# Altium PCB JTAG批量下载板-V1.6-ASCII.PcbDoc (part 11 of 14) (continued)
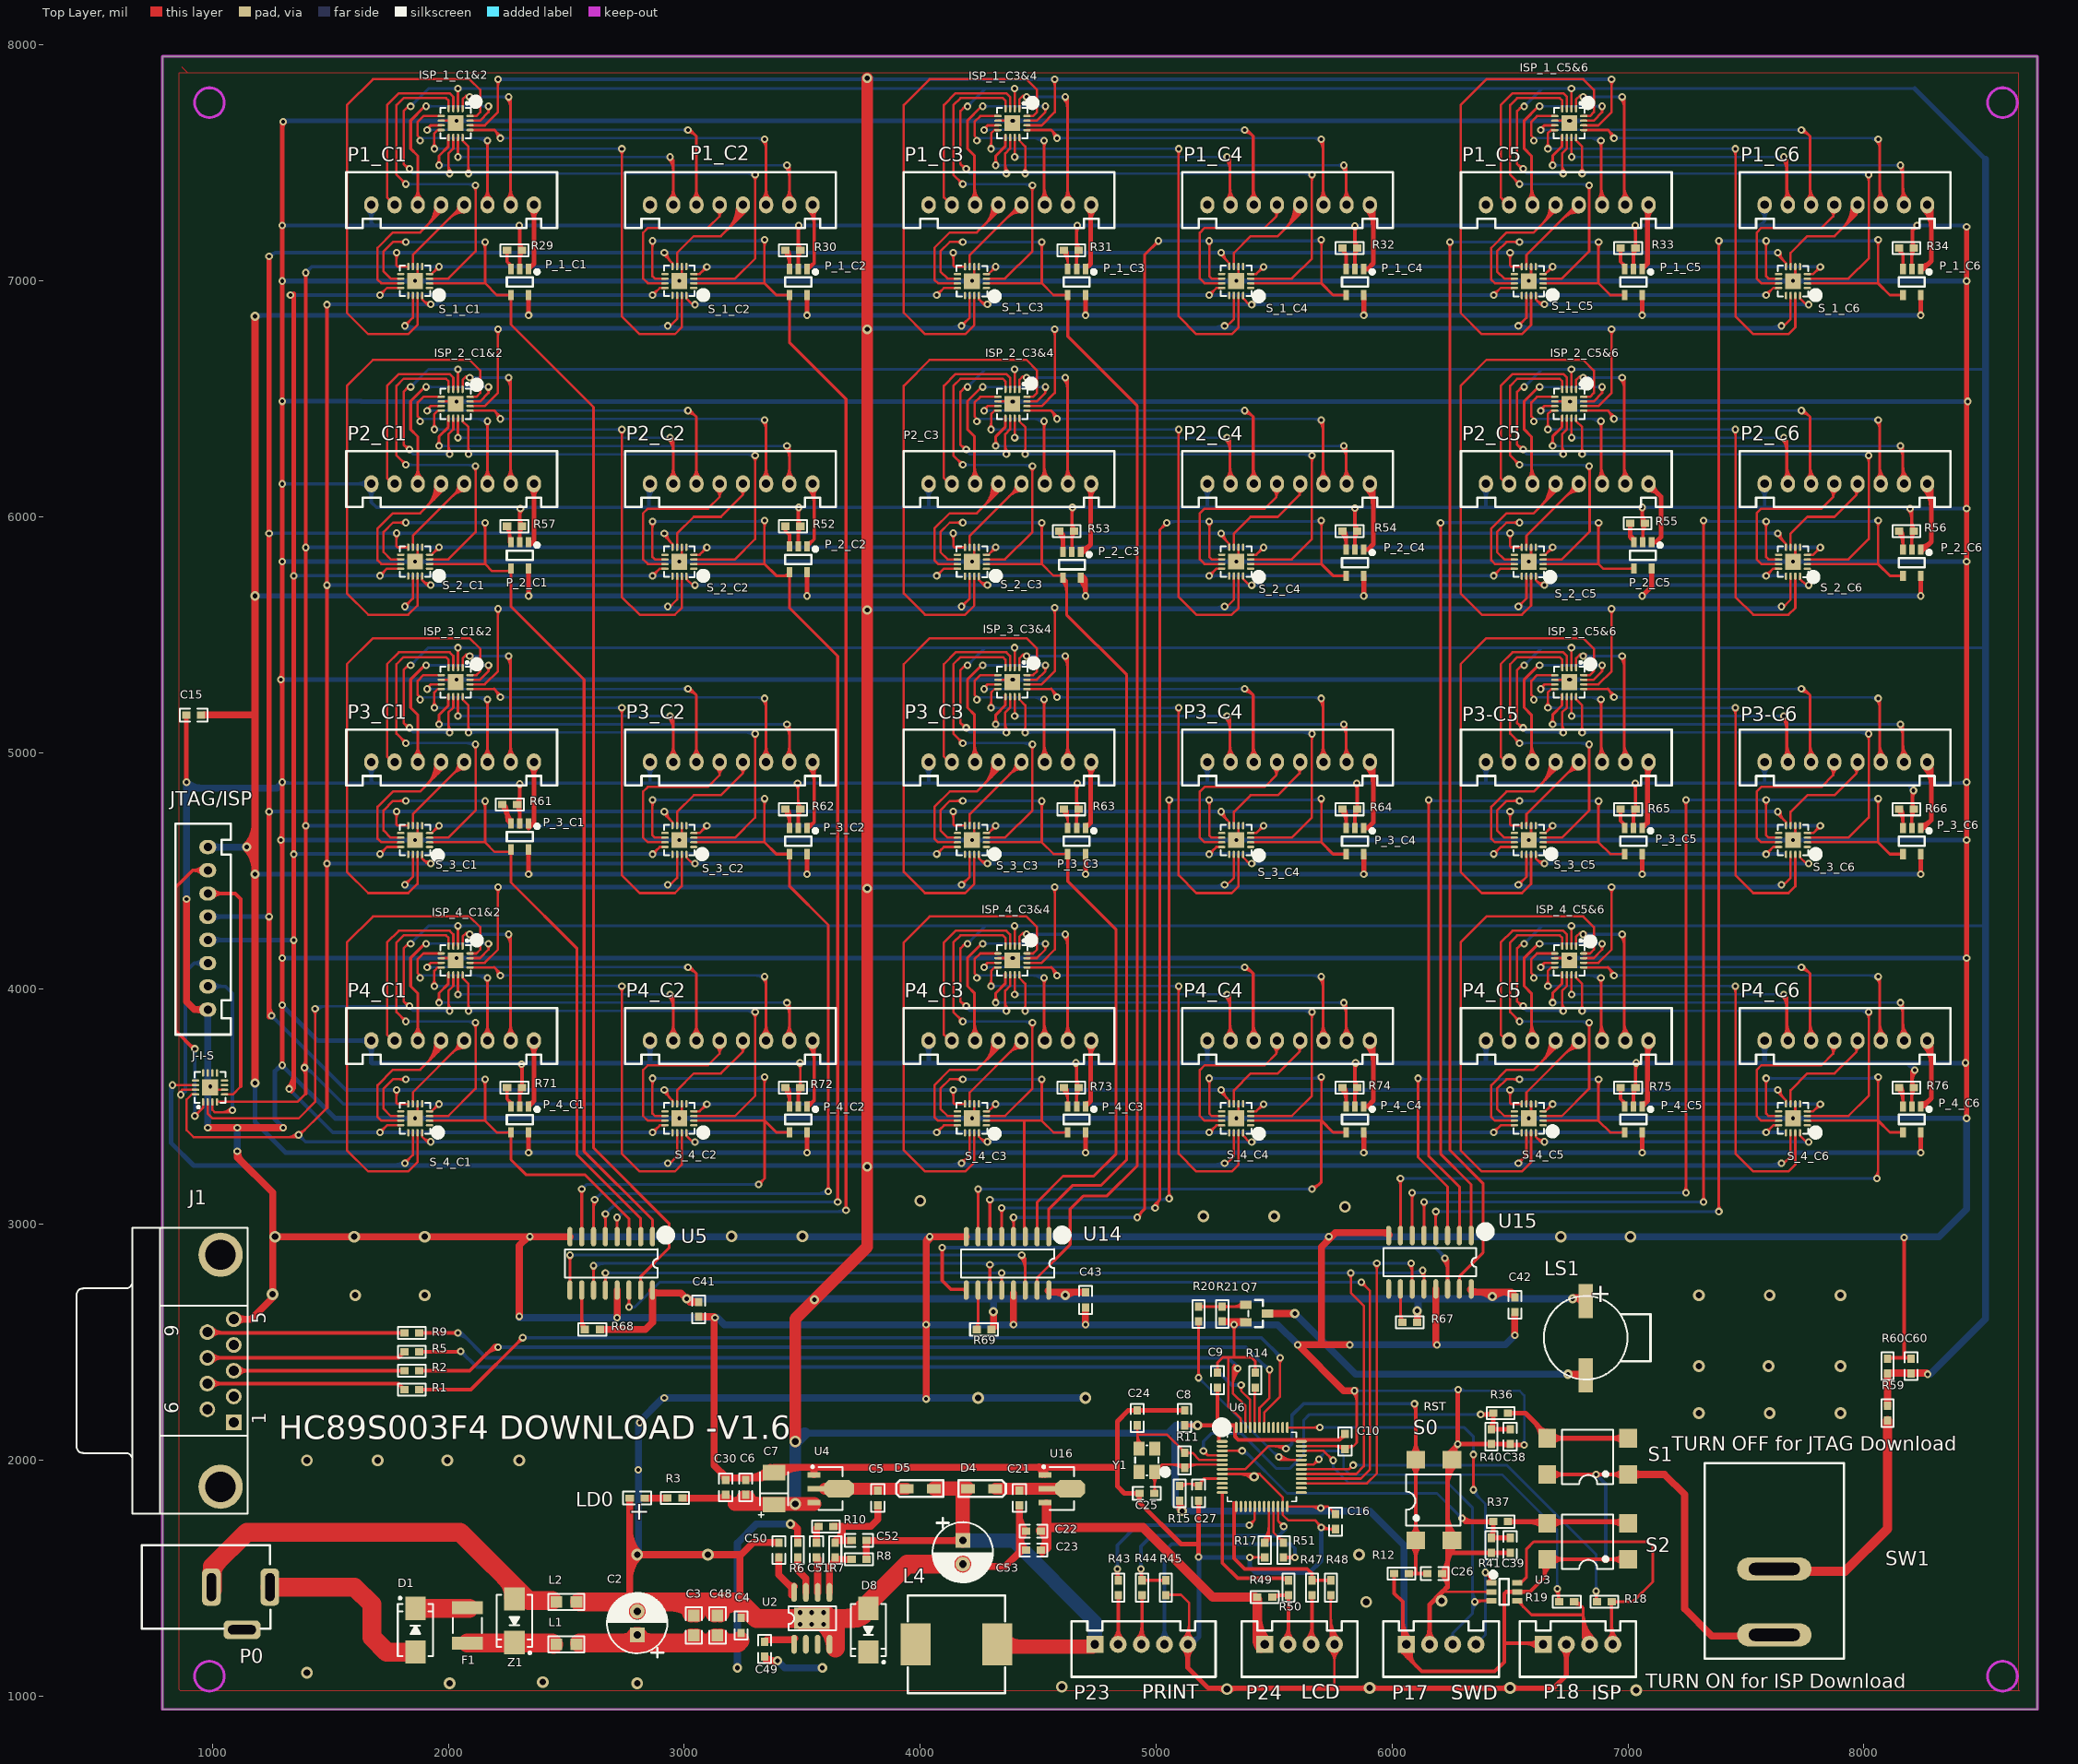
[diagram p0: Top Layer view]
## Nets (pads, with @x,y where several pads share a name; then routed paths per layer and width w, separated by ;. In a path a pad name is that pad's centre, name@x,y a point inside that pad or via, vN(x,y) a via of type N, cw(c..) or ccw(c..) an arc to the next point about the centre after c; other vN are vias at no path point) (continued)
  Top Layer w15: R43.2@4835,1495 v1(4835,1540) ; v1@4828.99,1533.99 cw(c4814.48,1519.48) 4835,1519.48 ; v1@4828.99,1533.99 cw(c4814.48,1519.48) 4835,1519.48 ; v1@4828.99,1533.99 cw(c4814.48,1519.48) 4835,1519.48 ; v1@4828.99,1533.99 cw(c4814.48,1519.48) 4835,1519.48 ; v1@4828.99,1533.99 cw(c4814.48,1519.48) 4835,1519.48 ; 4835,1519.48 cw(c4855.52,1519.48) v1@4841.01,1533.99 ; 4835,1519.48 cw(c4855.52,1519.48) v1@4841.01,1533.99 ; 4835,1519.48 cw(c4855.52,1519.48) v1@4841.01,1533.99 ; 4835,1519.48 cw(c4855.52,1519.48) v1@4841.01,1533.99 ; 4835,1519.48 cw(c4855.52,1519.48) v1@4841.01,1533.99 ; v1@4835,1525.45 ccw(c4871.98,1525.45) R43.2@4845.83,1499.3 ; v1@4835,1525.45 ccw(c4871.98,1525.45) R43.2@4845.83,1499.3 ; v1@4835,1525.45 ccw(c4871.98,1525.45) R43.2@4845.83,1499.3 ; v1@4835,1525.45 ccw(c4871.98,1525.45) R43.2@4845.83,1499.3 ; v1@4835,1525.45 ccw(c4871.98,1525.45) R43.2@4845.83,1499.3
  Bottom Layer w15: v1(4835,1540) 4835,1640 4920,1725 v1(5395,1725) ; v1@4828.99,1546.01 ccw(c4814.48,1560.52) 4835,1560.52 ; v1@4828.99,1546.01 ccw(c4814.48,1560.52) 4835,1560.52 ; v1@4828.99,1546.01 ccw(c4814.48,1560.52) 4835,1560.52 ; v1@4828.99,1546.01 ccw(c4814.48,1560.52) 4835,1560.52 ; v1@4828.99,1546.01 ccw(c4814.48,1560.52) 4835,1560.52 ; 4835,1560.52 ccw(c4855.52,1560.52) v1@4841.01,1546.01 ; 4835,1560.52 ccw(c4855.52,1560.52) v1@4841.01,1546.01 ; 4835,1560.52 ccw(c4855.52,1560.52) v1@4841.01,1546.01 ; 4835,1560.52 ccw(c4855.52,1560.52) v1@4841.01,1546.01 ; 4835,1560.52 ccw(c4855.52,1560.52) v1@4841.01,1546.01 ; 5374.48,1725 cw(c5374.48,1704.48) v1@5388.99,1718.99 ; 5374.48,1725 ccw(c5374.48,1745.52) v1@5388.99,1731.01 ; 5374.48,1725 cw(c5374.48,1704.48) v1@5388.99,1718.99 ; 5374.48,1725 ccw(c5374.48,1745.52) v1@5388.99,1731.01 ; 5374.48,1725 cw(c5374.48,1704.48) v1@5388.99,1718.99 ; 5374.48,1725 ccw(c5374.48,1745.52) v1@5388.99,1731.01 ; 5374.48,1725 cw(c5374.48,1704.48) v1@5388.99,1718.99 ; 5374.48,1725 ccw(c5374.48,1745.52) v1@5388.99,1731.01 ; 5374.48,1725 cw(c5374.48,1704.48) v1@5388.99,1718.99 ; 5374.48,1725 ccw(c5374.48,1745.52) v1@5388.99,1731.01
PRT_RXD: P23.4 R51.1 | length 1966
  Top Layer w15: R51.1@5540,1588.5 v1(5588.5,1588.5) ; R51.1@5545.83,1582.67 cw(c5559.91,1568.59) 5559.91,1588.5 ; R51.1@5545.83,1582.67 cw(c5559.91,1568.59) 5559.91,1588.5 ; R51.1@5545.83,1582.67 cw(c5559.91,1568.59) 5559.91,1588.5 ; R51.1@5545.83,1582.67 cw(c5559.91,1568.59) 5559.91,1588.5 ; R51.1@5545.83,1582.67 cw(c5559.91,1568.59) 5559.91,1588.5 ; R51.1@5545.83,1594.34 ccw(c5559.91,1608.42) 5559.91,1588.5 ; R51.1@5545.83,1594.34 ccw(c5559.91,1608.42) 5559.91,1588.5 ; R51.1@5545.83,1594.34 ccw(c5559.91,1608.42) 5559.91,1588.5 ; R51.1@5545.83,1594.34 ccw(c5559.91,1608.42) 5559.91,1588.5 ; R51.1@5545.83,1594.34 ccw(c5559.91,1608.42) 5559.91,1588.5 ; 5567.98,1588.5 cw(c5567.98,1567.98) v1@5582.49,1582.49 ; 5567.98,1588.5 ccw(c5567.98,1609.02) v1@5582.49,1594.51 ; 5567.98,1588.5 cw(c5567.98,1567.98) v1@5582.49,1582.49 ; 5567.98,1588.5 ccw(c5567.98,1609.02) v1@5582.49,1594.51 ; 5567.98,1588.5 cw(c5567.98,1567.98) v1@5582.49,1582.49 ; 5567.98,1588.5 ccw(c5567.98,1609.02) v1@5582.49,1594.51 ; 5567.98,1588.5 cw(c5567.98,1567.98) v1@5582.49,1582.49 ; 5567.98,1588.5 ccw(c5567.98,1609.02) v1@5582.49,1594.51 ; 5567.98,1588.5 cw(c5567.98,1567.98) v1@5582.49,1582.49 ; 5567.98,1588.5 ccw(c5567.98,1609.02) v1@5582.49,1594.51
  Bottom Layer w15: P23.4@5035.28,1220 5035.28,1615.28 5065,1645 5570,1645 5588.5,1626.5 v1(5588.5,1588.5) ; P23.4@5015.12,1240.15 ccw(c4966.47,1288.81) 5035.28,1288.81 ; P23.4@5015.12,1240.15 ccw(c4966.47,1288.81) 5035.28,1288.81 ; P23.4@5015.12,1240.15 ccw(c4966.47,1288.81) 5035.28,1288.81 ; P23.4@5015.12,1240.15 ccw(c4966.47,1288.81) 5035.28,1288.81 ; 5035.28,1288.81 ccw(c5104.08,1288.81) P23.4@5055.43,1240.15 ; 5035.28,1288.81 ccw(c5104.08,1288.81) P23.4@5055.43,1240.15 ; 5035.28,1288.81 ccw(c5104.08,1288.81) P23.4@5055.43,1240.15 ; 5035.28,1288.81 ccw(c5104.08,1288.81) P23.4@5055.43,1240.15 ; v1@5582.49,1594.51 ccw(c5567.98,1609.02) 5588.5,1609.02 ; v1@5582.49,1594.51 ccw(c5567.98,1609.02) 5588.5,1609.02 ; v1@5582.49,1594.51 ccw(c5567.98,1609.02) 5588.5,1609.02 ; v1@5582.49,1594.51 ccw(c5567.98,1609.02) 5588.5,1609.02 ; v1@5582.49,1594.51 ccw(c5567.98,1609.02) 5588.5,1609.02 ; 5588.5,1609.02 ccw(c5609.02,1609.02) v1@5594.51,1594.51 ; 5588.5,1609.02 ccw(c5609.02,1609.02) v1@5594.51,1594.51 ; 5588.5,1609.02 ccw(c5609.02,1609.02) v1@5594.51,1594.51 ; 5588.5,1609.02 ccw(c5609.02,1609.02) v1@5594.51,1594.51 ; 5588.5,1609.02 ccw(c5609.02,1609.02) v1@5594.51,1594.51
PRT_TXD: P23.3 R44.1 | length 1076.8
  Top Layer w15: P23.3@4936.85,1220 4940,1223.15 R44.1@4940,1428.5 ; P23.3@4916.7,1240.15 ccw(c4860.44,1296.41) 4940,1296.41 ; P23.3@4916.7,1240.15 ccw(c4860.44,1296.41) 4940,1296.41 ; P23.3@4916.7,1240.15 ccw(c4860.44,1296.41) 4940,1296.41 ; P23.3@4916.7,1240.15 ccw(c4860.44,1296.41) 4940,1296.41 ; P23.3@4916.7,1240.15 ccw(c4860.44,1296.41) 4940,1296.41 ; P23.3@4927.3,1229.55 ccw(c4896.65,1260.2) 4940,1260.2 ; P23.3@4927.3,1229.55 ccw(c4896.65,1260.2) 4940,1260.2 ; P23.3@4927.3,1229.55 ccw(c4896.65,1260.2) 4940,1260.2 ; P23.3@4927.3,1229.55 ccw(c4896.65,1260.2) 4940,1260.2 ; P23.3@4927.3,1229.55 ccw(c4896.65,1260.2) 4940,1260.2 ; R44.1@4934.17,1420.7 cw(c4920.09,1406.62) 4940,1406.62 ; R44.1@4934.17,1420.7 cw(c4920.09,1406.62) 4940,1406.62 ; R44.1@4934.17,1420.7 cw(c4920.09,1406.62) 4940,1406.62 ; R44.1@4934.17,1420.7 cw(c4920.09,1406.62) 4940,1406.62 ; R44.1@4934.17,1420.7 cw(c4920.09,1406.62) 4940,1406.62 ; 4940,1281.2 ccw(c4998.05,1281.2) P23.3@4957,1240.15 ; 4940,1281.2 ccw(c4998.05,1281.2) P23.3@4957,1240.15 ; 4940,1281.2 ccw(c4998.05,1281.2) P23.3@4957,1240.15 ; 4940,1281.2 ccw(c4998.05,1281.2) P23.3@4957,1240.15 ; 4940,1281.2 ccw(c4998.05,1281.2) P23.3@4957,1240.15 ; 4940,1406.62 cw(c4959.91,1406.62) R44.1@4945.83,1420.7 ; 4940,1406.62 cw(c4959.91,1406.62) R44.1@4945.83,1420.7 ; 4940,1406.62 cw(c4959.91,1406.62) R44.1@4945.83,1420.7 ; 4940,1406.62 cw(c4959.91,1406.62) R44.1@4945.83,1420.7 ; 4940,1406.62 cw(c4959.91,1406.62) R44.1@4945.83,1420.7
PW_1_C1: P1_C1.1 P_1_C1.1 | length 401.5
  Top Layer w20: P_1_C1.1@2340,7050.55 2362.2,7072.76 P1_C1.1@2362.2,7322.83 ; P1_C1.1@2348.06,7302.69 cw(c2313.92,7268.55) 2362.2,7268.55 cw(c2410.49,7268.55) P1_C1.1@2376.35,7302.69 ; P_1_C1.1@2340,7062.2 ccw(c2340,7090.34) 2359.89,7070.44 cw(c2340,7090.34) P_1_C1.1@2340,7062.2
PW_1_C2: P1_C2.1 P_1_C2.1 | length 472.9
  Top Layer w15: P_1_C2.1@3520,7050.55 3525.55,7050.55 3550,7075 ; P1_C2.1@3527.4,7300.92 cw(c3472.83,7246.36) 3550,7246.36 ; P1_C2.1@3538,7311.53 cw(c3509.04,7282.57) 3550,7282.57 ; P1_C2.1@3543.31,7322.83 3550,7316.14 3550,7075 ; 3550,7278.67 cw(c3581.47,7278.67) P1_C2.1@3559.22,7300.92 ; 3550,7075 cw(c3524.53,7100.47) 3520.48,7064.68 ccw(c3524.53,7100.47) 3550,7075
PW_1_C3: P1_C3.1 P_1_C3.1 | length 401.5
  Top Layer w20: P_1_C3.1@4700,7050.55 4722.2,7072.76 P1_C3.1@4722.2,7322.83 ; P1_C3.1@4710.27,7302.69 cw(c4681.45,7273.87) 4722.2,7273.87 ; 4722.2,7263.23 cw(c4778.02,7263.23) P1_C3.1@4738.55,7302.69 ; P_1_C3.1@4700,7062.2 ccw(c4700,7090.34) 4719.89,7070.44 cw(c4700,7090.34) P_1_C3.1@4700,7062.2
PW_1_C4: P1_C4.1 P_1_C4.1 | length 429
  Top Layer w20: P_1_C4.1@5880,7050.55 5895.55,7050.55 5920,7075 5920,7310 P1_C4.1@5900,7330 ; P1_C4.1@5891.37,7302.69 cw(c5822.25,7233.57) 5920,7233.57 ; P1_C4.1@5905.51,7316.83 cw(c5870.53,7281.86) 5920,7281.86
PW_1_C5: P1_C5.1 P_1_C5.1 | length 401.5
  Top Layer w20: P_1_C5.1@7060,7050.55 7082.2,7072.76 P1_C5.1@7082.2,7322.83 ; P1_C5.1@7072.47,7302.69 cw(c7048.98,7279.2) 7082.2,7279.2 ; 7082.2,7257.9 cw(c7145.54,7257.9) P1_C5.1@7100.76,7302.69 ; P_1_C5.1@7060,7062.2 ccw(c7060,7090.34) 7079.89,7070.44 cw(c7060,7090.34) P_1_C5.1@7060,7062.2
PW_1_C6: P1_C6.1 P_1_C6.1 | length 481.2
  Top Layer w20: P_1_C6.1@8240,7042.2 ccw(c8240,7047.53) P_1_C6.1@8243.76,7043.76 ; P_1_C6.1@8240,7050.55 8250.55,7050.55 8285,7085 8285,7305.55 P1_C6.1@8267.72,7322.83 ; P_1_C6.1@8240,7062.2 ccw(c8240,7115.81) 8277.91,7077.91 ; P1_C6.1@8253.57,7302.69 cw(c8177.71,7226.82) 8285,7226.82 ; P1_C6.1@8267.72,7316.83 cw(c8225.99,7275.11) 8285,7275.11
PW_2_C1: P2_C1.1 P_2_C1.1 | length 332.3
  Top Layer w20: P_2_C1.1@2347.5,5882.5 2362.2,5897.2 P2_C1.1@2362.2,6132.83 ; P2_C1.1@2348.06,6119.86 cw(c2313.92,6085.72) 2362.2,6085.72 cw(c2410.49,6085.72) P2_C1.1@2376.35,6119.86
PW_2_C2: P2_C2.1 P_2_C2.1 | length 444.2
  Top Layer w15: P_2_C2.1@3520,5875 3550,5905 3550,6126.14 P2_C2.1@3543.31,6132.83 ; P2_C2.1@3527.4,6118.09 cw(c3472.83,6063.52) 3550,6063.52 ; P2_C2.1@3538,6128.7 cw(c3509.04,6099.74) 3550,6099.74 ; 3550,6095.84 cw(c3581.47,6095.84) P2_C2.1@3559.22,6118.09 ; P_2_C2.1@3520,5889.15 ccw(c3520,5923.32) 3544.16,5899.16 cw(c3520,5923.32) P_2_C2.1@3520,5889.15
PW_2_C3: P2_C3.1 P_2_C3.1 | length 425
  Top Layer w20: P_2_C3.1@4680,5843.62 ccw(c4680,5851.04) P_2_C3.1@4685.24,5845.79 ; P_2_C3.1@4680,5863.62 ccw(c4680,5919.32) 4719.38,5879.94 ; P_2_C3.1@4687.22,5847.78 4722.2,5882.76 P2_C3.1@4722.2,6132.83 ; P2_C3.1@4710.27,6119.86 cw(c4681.45,6091.04) 4722.2,6091.04 ; 4722.2,6080.39 cw(c4778.02,6080.39) P2_C3.1@4738.55,6119.86
PW_2_C4: P2_C4.1 P_2_C4.1 | length 429
  Top Layer w20: P_2_C4.1@5880,5860.55 5895.55,5860.55 5920,5885 5920,6120 P2_C4.1@5900,6140 ; P2_C4.1@5891.37,6119.86 cw(c5822.25,6050.74) 5920,6050.74 ; P2_C4.1@5905.51,6134 cw(c5870.53,6099.02) 5920,6099.02
PW_2_C5: P2_C5.1 P_2_C5.1 | length 380.2
  Top Layer w20: P2_C5.1@7080,6145 7140,6085 7140,5915 7116.97,5891.97 P_2_C5.1@7100,5891.97 ; P2_C5.1@7086.61,6114 cw(c7086.61,6055.13) 7128.24,6096.76 ; P2_C5.1@7106.61,6134 ccw(c7144.31,6134) 7117.66,6107.34
PW_2_C6: P2_C6.1 P_2_C6.1 | length 481.2
  Top Layer w20: P_2_C6.1@8240,5852.2 ccw(c8240,5857.53) P_2_C6.1@8243.76,5853.76 ; P_2_C6.1@8240,5860.55 8250.55,5860.55 8285,5895 8285,6115.55 P2_C6.1@8267.72,6132.83 ; P_2_C6.1@8240,5872.2 ccw(c8240,5925.81) 8277.91,5887.91 ; P2_C6.1@8253.57,6119.86 cw(c8177.71,6043.99) 8285,6043.99 ; P2_C6.1@8267.72,6134 cw(c8225.99,6092.27) 8285,6092.27
PW_3_C1: P3_C1.1 P_3_C1.1 | length 357.3
  Top Layer w20: P_3_C1.1@2340,4680.55 2362.2,4702.76 P3_C1.1@2362.2,4952.83 ; P3_C1.1@2348.06,4940.49 cw(c2313.92,4906.35) 2362.2,4906.35 cw(c2410.49,4906.35) P3_C1.1@2376.35,4940.49
PW_3_C2: P3_C2.1 P_3_C2.1 | length 472.9
  Top Layer w15: P_3_C2.1@3520,4680.55 3525.55,4680.55 3550,4705 ; P3_C2.1@3527.4,4938.72 cw(c3472.83,4884.15) 3550,4884.15 ; P3_C2.1@3538,4949.33 cw(c3509.04,4920.37) 3550,4920.37 ; P3_C2.1@3543.31,4952.83 3550,4946.14 3550,4705 ; 3550,4916.47 cw(c3581.47,4916.47) P3_C2.1@3559.22,4938.72 ; 3550,4705 cw(c3524.53,4730.47) 3520.48,4694.68 ccw(c3524.53,4730.47) 3550,4705
PW_3_C3: P3_C3.1 P_3_C3.1 | length 401.5
  Top Layer w20: P_3_C3.1@4700,4680.55 4722.2,4702.76 P3_C3.1@4722.2,4952.83 ; P3_C3.1@4710.27,4940.49 cw(c4681.45,4911.67) 4722.2,4911.67 ; 4722.2,4901.02 cw(c4778.02,4901.02) P3_C3.1@4738.55,4940.49 ; P_3_C3.1@4700,4692.2 ccw(c4700,4720.34) 4719.89,4700.44 cw(c4700,4720.34) P_3_C3.1@4700,4692.2
PW_3_C4: P3_C4.1 P_3_C4.1 | length 429
  Top Layer w20: P_3_C4.1@5880,4680.55 5895.55,4680.55 5920,4705 5920,4940 P3_C4.1@5900,4960 ; P3_C4.1@5891.37,4940.49 cw(c5822.25,4871.37) 5920,4871.37 ; P3_C4.1@5905.51,4954.63 cw(c5870.53,4919.65) 5920,4919.65
PW_3_C5: P3-C5.1 P_3_C5.1 | length 401.5
  Top Layer w20: P_3_C5.1@7060,4680.55 7082.2,4702.76 P3-C5.1@7082.2,4952.83 ; P3-C5.1@7072.47,4940.49 cw(c7048.98,4916.99) 7082.2,4916.99 ; 7082.2,4895.7 cw(c7145.54,4895.7) P3-C5.1@7100.76,4940.49 ; P_3_C5.1@7060,4692.2 ccw(c7060,4720.34) 7079.89,4700.44 cw(c7060,4720.34) P_3_C5.1@7060,4692.2
PW_3_C6: P3-C6.1 P_3_C6.1 | length 481.2
  Top Layer w20: P_3_C6.1@8240,4672.2 ccw(c8240,4677.53) P_3_C6.1@8243.76,4673.76 ; P_3_C6.1@8240,4680.55 8250.55,4680.55 8285,4715 8285,4935.55 P3-C6.1@8267.72,4952.83 ; P_3_C6.1@8240,4692.2 ccw(c8240,4745.81) 8277.91,4707.91 ; P3-C6.1@8253.57,4940.49 cw(c8177.71,4864.62) 8285,4864.62 ; P3-C6.1@8267.72,4954.63 cw(c8225.99,4912.9) 8285,4912.9
PW_4_C1: P4_C1.1 P_4_C1.1 | length 399.4
  Top Layer w20: P_4_C1.1@2340,3500.55 2362.2,3522.76 P4_C1.1@2362.2,3772.83 ; P4_C1.1@2348.06,3759.39 cw(c2313.92,3725.24) 2362.2,3725.24 cw(c2410.49,3725.24) P4_C1.1@2376.35,3759.39 ; P_4_C1.1@2340,3511.65 ccw(c2340,3538.46) 2358.95,3519.5 cw(c2340,3538.46) P_4_C1.1@2340,3511.65
PW_4_C2: P4_C2.1 P_4_C2.1 | length 472.9
  Top Layer w15: P_4_C2.1@3520,3500.55 3525.55,3500.55 3550,3525 ; P4_C2.1@3527.4,3757.62 cw(c3472.83,3703.05) 3550,3703.05 ; P4_C2.1@3538,3768.22 cw(c3509.04,3739.26) 3550,3739.26 ; P4_C2.1@3543.31,3772.83 3550,3766.14 3550,3525 ; 3550,3735.37 cw(c3581.47,3735.37) P4_C2.1@3559.22,3757.62 ; 3550,3525 cw(c3524.53,3550.47) 3520.48,3514.68 ccw(c3524.53,3550.47) 3550,3525
PW_4_C3: P4_C3.1 P_4_C3.1 | length 401.5
  Top Layer w20: P_4_C3.1@4700,3500.55 4722.2,3522.76 P4_C3.1@4722.2,3772.83 ; P4_C3.1@4710.27,3759.39 cw(c4681.45,3730.57) 4722.2,3730.57 ; 4722.2,3719.92 cw(c4778.02,3719.92) P4_C3.1@4738.55,3759.39 ; P_4_C3.1@4700,3512.2 ccw(c4700,3540.34) 4719.89,3520.44 cw(c4700,3540.34) P_4_C3.1@4700,3512.2
PW_4_C4: P4_C4.1 P_4_C4.1 | length 429
  Top Layer w20: P_4_C4.1@5880,3500.55 5895.55,3500.55 5920,3525 5920,3760 P4_C4.1@5900,3780 ; P4_C4.1@5891.37,3759.39 cw(c5822.25,3690.27) 5920,3690.27 ; P4_C4.1@5905.51,3773.53 cw(c5870.53,3738.55) 5920,3738.55
PW_4_C5: P4_C5.1 P_4_C5.1 | length 401.5
  Top Layer w20: P_4_C5.1@7060,3500.55 7082.2,3522.76 P4_C5.1@7082.2,3772.83 ; P4_C5.1@7072.47,3759.39 cw(c7048.98,3735.89) 7082.2,3735.89 ; 7082.2,3714.6 cw(c7145.54,3714.6) P4_C5.1@7100.76,3759.39 ; P_4_C5.1@7060,3512.2 ccw(c7060,3540.34) 7079.89,3520.44 cw(c7060,3540.34) P_4_C5.1@7060,3512.2
PW_4_C6: P4_C6.1 P_4_C6.1 | length 481.2
  Top Layer w20: P_4_C6.1@8240,3492.2 ccw(c8240,3497.53) P_4_C6.1@8243.76,3493.76 ; P_4_C6.1@8240,3500.55 8250.55,3500.55 8285,3535 8285,3755.55 P4_C6.1@8267.72,3772.83 ; P_4_C6.1@8240,3512.2 ccw(c8240,3565.81) 8277.91,3527.91 ; P4_C6.1@8253.57,3759.39 cw(c8177.71,3683.52) 8285,3683.52 ; P4_C6.1@8267.72,3773.53 cw(c8225.99,3731.8) 8285,3731.8
QH1': U5.9 U14.14 | length 3373.5
  Top Layer w12: U5.9@2515,2721.81 v1(2515,2870) ; v1(4430,2870) 4445,2855 U14.14@4445,2720 ; v1@2507.93,2862.93 cw(c2490.86,2845.86) 2515,2845.86 ; v1@2507.93,2862.93 cw(c2490.86,2845.86) 2515,2845.86 ; v1@2507.93,2862.93 cw(c2490.86,2845.86) 2515,2845.86 ; v1@2507.93,2862.93 cw(c2490.86,2845.86) 2515,2845.86 ; v1@2507.93,2862.93 cw(c2490.86,2845.86) 2515,2845.86 ; U5.9@2511.59,2755.74 ccw(c2503.35,2763.98) 2515,2763.98 ; U5.9@2511.59,2755.74 ccw(c2503.35,2763.98) 2515,2763.98 ; U5.9@2511.59,2755.74 ccw(c2503.35,2763.98) 2515,2763.98 ; U5.9@2511.59,2755.74 ccw(c2503.35,2763.98) 2515,2763.98 ; U5.9@2511.59,2755.74 ccw(c2503.35,2763.98) 2515,2763.98 ; 2515,2763.98 ccw(c2526.65,2763.98) U5.9@2518.41,2755.74 ; 2515,2763.98 ccw(c2526.65,2763.98) U5.9@2518.41,2755.74 ; 2515,2763.98 ccw(c2526.65,2763.98) U5.9@2518.41,2755.74 ; 2515,2763.98 ccw(c2526.65,2763.98) U5.9@2518.41,2755.74 ; 2515,2763.98 ccw(c2526.65,2763.98) U5.9@2518.41,2755.74 ; 2515,2845.86 cw(c2539.14,2845.86) v1@2522.07,2862.93 ; 2515,2845.86 cw(c2539.14,2845.86) v1@2522.07,2862.93 ; 2515,2845.86 cw(c2539.14,2845.86) v1@2522.07,2862.93 ; 2515,2845.86 cw(c2539.14,2845.86) v1@2522.07,2862.93 ; 2515,2845.86 cw(c2539.14,2845.86) v1@2522.07,2862.93 ; v1@4422.93,2862.93 cw(c4369.64,2809.64) 4445,2809.64 ; v1@4422.93,2862.93 cw(c4369.64,2809.64) 4445,2809.64 ; v1@4422.93,2862.93 cw(c4369.64,2809.64) 4445,2809.64 ; v1@4422.93,2862.93 cw(c4369.64,2809.64) 4445,2809.64 ; v1@4422.93,2862.93 cw(c4369.64,2809.64) 4445,2809.64 ; v1@4431.41,2871.41 cw(c4398.62,2838.62) 4445,2838.62 ; v1@4431.41,2871.41 cw(c4398.62,2838.62) 4445,2838.62 ; v1@4431.41,2871.41 cw(c4398.62,2838.62) 4445,2838.62 ; v1@4431.41,2871.41 cw(c4398.62,2838.62) 4445,2838.62 ; v1@4431.41,2871.41 cw(c4398.62,2838.62) 4445,2838.62 ; U14.14@4441.59,2755.74 ccw(c4433.35,2763.98) 4445,2763.98 ; U14.14@4441.59,2755.74 ccw(c4433.35,2763.98) 4445,2763.98 ; U14.14@4441.59,2755.74 ccw(c4433.35,2763.98) 4445,2763.98 ; U14.14@4441.59,2755.74 ccw(c4433.35,2763.98) 4445,2763.98 ; U14.14@4441.59,2755.74 ccw(c4433.35,2763.98) 4445,2763.98 ; 4445,2763.98 ccw(c4456.65,2763.98) U14.14@4448.41,2755.74 ; 4445,2763.98 ccw(c4456.65,2763.98) U14.14@4448.41,2755.74 ; 4445,2763.98 ccw(c4456.65,2763.98) U14.14@4448.41,2755.74 ; 4445,2763.98 ccw(c4456.65,2763.98) U14.14@4448.41,2755.74 ; 4445,2763.98 ccw(c4456.65,2763.98) U14.14@4448.41,2755.74
  Bottom Layer w12: v1(2515,2870) v1(4430,2870) ; v1@2522.07,2862.93 cw(c2539.14,2845.86) 2539.14,2870 ; v1@2522.07,2862.93 cw(c2539.14,2845.86) 2539.14,2870 ; v1@2522.07,2862.93 cw(c2539.14,2845.86) 2539.14,2870 ; v1@2522.07,2862.93 cw(c2539.14,2845.86) 2539.14,2870 ; v1@2522.07,2862.93 cw(c2539.14,2845.86) 2539.14,2870 ; v1@2522.07,2877.07 ccw(c2539.14,2894.14) 2539.14,2870 ; v1@2522.07,2877.07 ccw(c2539.14,2894.14) 2539.14,2870 ; v1@2522.07,2877.07 ccw(c2539.14,2894.14) 2539.14,2870 ; v1@2522.07,2877.07 ccw(c2539.14,2894.14) 2539.14,2870 ; v1@2522.07,2877.07 ccw(c2539.14,2894.14) 2539.14,2870 ; 4405.86,2870 cw(c4405.86,2845.86) v1@4422.93,2862.93 ; 4405.86,2870 ccw(c4405.86,2894.14) v1@4422.93,2877.07 ; 4405.86,2870 cw(c4405.86,2845.86) v1@4422.93,2862.93 ; 4405.86,2870 ccw(c4405.86,2894.14) v1@4422.93,2877.07 ; 4405.86,2870 cw(c4405.86,2845.86) v1@4422.93,2862.93 ; 4405.86,2870 ccw(c4405.86,2894.14) v1@4422.93,2877.07
QH2': U14.9 U15.14 | length 3012
  Top Layer w15: v1(4092.93,2902.07) 4092.93,2762.07 4130,2725 U14.9@4195,2725 ; v1(6222.93,2857.07) 6235,2845 U15.14@6235,2720 ; v1@4086.92,2896.06 cw(c4072.41,2881.55) 4092.93,2881.55 ; v1@4086.92,2896.06 cw(c4072.41,2881.55) 4092.93,2881.55 ; v1@4086.92,2896.06 cw(c4072.41,2881.55) 4092.93,2881.55 ; 4092.93,2881.55 cw(c4113.45,2881.55) v1@4098.94,2896.06 ; 4092.93,2881.55 cw(c4113.45,2881.55) v1@4098.94,2896.06 ; 4092.93,2881.55 cw(c4113.45,2881.55) v1@4098.94,2896.06 ; 4179.27,2725 cw(c4179.27,2706.08) U14.9@4192.65,2719.46 ; 4179.27,2725 cw(c4179.27,2706.08) U14.9@4192.65,2719.46 ; 4179.27,2725 cw(c4179.27,2706.08) U14.9@4192.65,2719.46 ; v1@6216.92,2851.06 cw(c6173.27,2807.41) 6235,2807.41 ; v1@6216.92,2851.06 cw(c6173.27,2807.41) 6235,2807.41 ; v1@6216.92,2851.06 cw(c6173.27,2807.41) 6235,2807.41 ; v1@6227.53,2861.67 cw(c6209.48,2843.62) 6235,2843.62 ; v1@6227.53,2861.67 cw(c6209.48,2843.62) 6235,2843.62 ; v1@6227.53,2861.67 cw(c6209.48,2843.62) 6235,2843.62
  Bottom Layer w15: v1(4092.93,2902.07) 6182.93,2902.07 v1@6230,2855 ; v1@4098.94,2896.06 cw(c4113.45,2881.55) 4113.45,2902.07 cw(c4113.45,2922.59) v1@4098.94,2908.08 ; 6204.88,2880.12 cw(c6181.84,2857.07) v1@6214.43,2857.07 ; 6204.88,2880.12 cw(c6181.84,2857.07) v1@6214.43,2857.07 ; 6204.88,2880.12 cw(c6181.84,2857.07) v1@6214.43,2857.07
RCLK_1: U5.12 U6.29 U14.12 U15.12 | length 7132.5
  Top Layer w10: U6.29@5614.65,1942.2 5847.2,1942.2 5880,1975 5880,2655 5825,2710 v1(5825,2795) ; v1@5817.22,2787.22 cw(c5798.44,2768.44) 5825,2768.44 ; v1@5817.22,2787.22 cw(c5798.44,2768.44) 5825,2768.44 ; v1@5817.22,2787.22 cw(c5798.44,2768.44) 5825,2768.44 ; v1@5817.22,2787.22 cw(c5798.44,2768.44) 5825,2768.44 ; v1@5817.22,2787.22 cw(c5798.44,2768.44) 5825,2768.44 ; 5825,2768.44 cw(c5851.56,2768.44) v1@5832.78,2787.22 ; 5825,2768.44 cw(c5851.56,2768.44) v1@5832.78,2787.22 ; 5825,2768.44 cw(c5851.56,2768.44) v1@5832.78,2787.22 ; 5825,2768.44 cw(c5851.56,2768.44) v1@5832.78,2787.22 ; 5825,2768.44 cw(c5851.56,2768.44) v1@5832.78,2787.22
  Top Layer w12: U5.12@2665,2721.81 v1@2665,2805 ; U14.12@4345,2721.81 v1(4345,2795) ; U15.12@6135,2726.81 v1@6135,2800 ; v1@2657.93,2787.93 cw(c2640.86,2770.86) 2665,2770.86 ; v1@2657.93,2787.93 cw(c2640.86,2770.86) 2665,2770.86 ; v1@2657.93,2787.93 cw(c2640.86,2770.86) 2665,2770.86 ; v1@2657.93,2787.93 cw(c2640.86,2770.86) 2665,2770.86 ; v1@2657.93,2787.93 cw(c2640.86,2770.86) 2665,2770.86 ; U5.12@2661.59,2755.74 ccw(c2653.35,2763.98) 2665,2763.98 ; U5.12@2661.59,2755.74 ccw(c2653.35,2763.98) 2665,2763.98 ; U5.12@2661.59,2755.74 ccw(c2653.35,2763.98) 2665,2763.98 ; U5.12@2661.59,2755.74 ccw(c2653.35,2763.98) 2665,2763.98 ; U5.12@2661.59,2755.74 ccw(c2653.35,2763.98) 2665,2763.98 ; 2665,2763.98 ccw(c2676.65,2763.98) U5.12@2668.41,2755.74 ; 2665,2763.98 ccw(c2676.65,2763.98) U5.12@2668.41,2755.74 ; 2665,2763.98 ccw(c2676.65,2763.98) U5.12@2668.41,2755.74 ; 2665,2763.98 ccw(c2676.65,2763.98) U5.12@2668.41,2755.74 ; 2665,2763.98 ccw(c2676.65,2763.98) U5.12@2668.41,2755.74 ; 2665,2770.86 cw(c2689.14,2770.86) v1@2672.07,2787.93 ; 2665,2770.86 cw(c2689.14,2770.86) v1@2672.07,2787.93 ; 2665,2770.86 cw(c2689.14,2770.86) v1@2672.07,2787.93 ; 2665,2770.86 cw(c2689.14,2770.86) v1@2672.07,2787.93 ; 2665,2770.86 cw(c2689.14,2770.86) v1@2672.07,2787.93 ; v1@4337.93,2787.93 cw(c4320.86,2770.86) 4345,2770.86 ; v1@4337.93,2787.93 cw(c4320.86,2770.86) 4345,2770.86 ; v1@4337.93,2787.93 cw(c4320.86,2770.86) 4345,2770.86 ; v1@4337.93,2787.93 cw(c4320.86,2770.86) 4345,2770.86 ; v1@4337.93,2787.93 cw(c4320.86,2770.86) 4345,2770.86 ; U14.12@4341.59,2755.74 ccw(c4333.35,2763.98) 4345,2763.98 ; U14.12@4341.59,2755.74 ccw(c4333.35,2763.98) 4345,2763.98 ; U14.12@4341.59,2755.74 ccw(c4333.35,2763.98) 4345,2763.98 ; U14.12@4341.59,2755.74 ccw(c4333.35,2763.98) 4345,2763.98 ; U14.12@4341.59,2755.74 ccw(c4333.35,2763.98) 4345,2763.98 ; 4345,2763.98 ccw(c4356.65,2763.98) U14.12@4348.41,2755.74 ; 4345,2763.98 ccw(c4356.65,2763.98) U14.12@4348.41,2755.74 ; 4345,2763.98 ccw(c4356.65,2763.98) U14.12@4348.41,2755.74 ; 4345,2763.98 ccw(c4356.65,2763.98) U14.12@4348.41,2755.74 ; 4345,2763.98 ccw(c4356.65,2763.98) U14.12@4348.41,2755.74 ; 4345,2770.86 cw(c4369.14,2770.86) v1@4352.07,2787.93 ; 4345,2770.86 cw(c4369.14,2770.86) v1@4352.07,2787.93 ; 4345,2770.86 cw(c4369.14,2770.86) v1@4352.07,2787.93 ; 4345,2770.86 cw(c4369.14,2770.86) v1@4352.07,2787.93 ; 4345,2770.86 cw(c4369.14,2770.86) v1@4352.07,2787.93 ; v1@6122.93,2797.93 cw(c6093.79,2768.79) 6135,2768.79 ; v1@6122.93,2797.93 cw(c6093.79,2768.79) 6135,2768.79 ; v1@6122.93,2797.93 cw(c6093.79,2768.79) 6135,2768.79 ; v1@6122.93,2797.93 cw(c6093.79,2768.79) 6135,2768.79 ; v1@6122.93,2797.93 cw(c6093.79,2768.79) 6135,2768.79 ; U15.12@6131.59,2760.74 ccw(c6123.35,2768.98) 6135,2768.98 ; U15.12@6131.59,2760.74 ccw(c6123.35,2768.98) 6135,2768.98 ; U15.12@6131.59,2760.74 ccw(c6123.35,2768.98) 6135,2768.98 ; U15.12@6131.59,2760.74 ccw(c6123.35,2768.98) 6135,2768.98 ; U15.12@6131.59,2760.74 ccw(c6123.35,2768.98) 6135,2768.98 ; 6135,2768.98 ccw(c6146.65,2768.98) U15.12@6138.41,2760.74 ; 6135,2768.98 ccw(c6146.65,2768.98) U15.12@6138.41,2760.74 ; 6135,2768.98 ccw(c6146.65,2768.98) U15.12@6138.41,2760.74 ; 6135,2768.98 ccw(c6146.65,2768.98) U15.12@6138.41,2760.74 ; 6135,2768.98 ccw(c6146.65,2768.98) U15.12@6138.41,2760.74
  Bottom Layer w12: v1(2665,2795) v1@6130,2795 ; v1@2672.07,2787.93 cw(c2689.14,2770.86) 2689.14,2795 ; v1@2672.07,2787.93 cw(c2689.14,2770.86) 2689.14,2795 ; v1@2672.07,2787.93 cw(c2689.14,2770.86) 2689.14,2795 ; v1@2672.07,2787.93 cw(c2689.14,2770.86) 2689.14,2795 ; v1@2672.07,2787.93 cw(c2689.14,2770.86) 2689.14,2795 ; v1@2672.07,2802.07 ccw(c2689.14,2819.14) 2689.14,2795 ; v1@2672.07,2802.07 ccw(c2689.14,2819.14) 2689.14,2795 ; v1@2672.07,2802.07 ccw(c2689.14,2819.14) 2689.14,2795 ; v1@2672.07,2802.07 ccw(c2689.14,2819.14) 2689.14,2795 ; v1@2672.07,2802.07 ccw(c2689.14,2819.14) 2689.14,2795 ; 4320.86,2795 cw(c4320.86,2770.86) v1@4337.93,2787.93 ; 4320.86,2795 ccw(c4320.86,2819.14) v1@4337.93,2802.07 ; 4320.86,2795 cw(c4320.86,2770.86) v1@4337.93,2787.93 ; 4320.86,2795 ccw(c4320.86,2819.14) v1@4337.93,2802.07 ; 4320.86,2795 cw(c4320.86,2770.86) v1@4337.93,2787.93 ; 4320.86,2795 ccw(c4320.86,2819.14) v1@4337.93,2802.07 ; 4320.86,2795 cw(c4320.86,2770.86) v1@4337.93,2787.93 ; 4320.86,2795 ccw(c4320.86,2819.14) v1@4337.93,2802.07 ; 4320.86,2795 cw(c4320.86,2770.86) v1@4337.93,2787.93 ; 4320.86,2795 ccw(c4320.86,2819.14) v1@4337.93,2802.07 ; v1@4352.07,2787.93 cw(c4369.14,2770.86) 4369.14,2795 ; v1@4352.07,2787.93 cw(c4369.14,2770.86) 4369.14,2795 ; v1@4352.07,2787.93 cw(c4369.14,2770.86) 4369.14,2795 ; v1@4352.07,2787.93 cw(c4369.14,2770.86) 4369.14,2795 ; v1@4352.07,2787.93 cw(c4369.14,2770.86) 4369.14,2795 ; v1@4352.07,2802.07 ccw(c4369.14,2819.14) 4369.14,2795 ; v1@4352.07,2802.07 ccw(c4369.14,2819.14) 4369.14,2795 ; v1@4352.07,2802.07 ccw(c4369.14,2819.14) 4369.14,2795 ; v1@4352.07,2802.07 ccw(c4369.14,2819.14) 4369.14,2795 ; v1@4352.07,2802.07 ccw(c4369.14,2819.14) 4369.14,2795 ; 5800.86,2795 cw(c5800.86,2770.86) v1@5817.93,2787.93 ; 5800.86,2795 ccw(c5800.86,2819.14) v1@5817.93,2802.07 ; 5800.86,2795 cw(c5800.86,2770.86) v1@5817.93,2787.93 ; 5800.86,2795 ccw(c5800.86,2819.14) v1@5817.93,2802.07 ; 5800.86,2795 cw(c5800.86,2770.86) v1@5817.93,2787.93 ; 5800.86,2795 ccw(c5800.86,2819.14) v1@5817.93,2802.07 ; 5800.86,2795 cw(c5800.86,2770.86) v1@5817.93,2787.93 ; 5800.86,2795 ccw(c5800.86,2819.14) v1@5817.93,2802.07 ; 5800.86,2795 cw(c5800.86,2770.86) v1@5817.93,2787.93 ; 5800.86,2795 ccw(c5800.86,2819.14) v1@5817.93,2802.07 ; v1@5832.07,2787.93 cw(c5849.14,2770.86) 5849.14,2795 ; v1@5832.07,2787.93 cw(c5849.14,2770.86) 5849.14,2795 ; v1@5832.07,2787.93 cw(c5849.14,2770.86) 5849.14,2795 ; v1@5832.07,2787.93 cw(c5849.14,2770.86) 5849.14,2795 ; v1@5832.07,2787.93 cw(c5849.14,2770.86) 5849.14,2795 ; v1@5832.07,2802.07 ccw(c5849.14,2819.14) 5849.14,2795 ; v1@5832.07,2802.07 ccw(c5849.14,2819.14) 5849.14,2795 ; v1@5832.07,2802.07 ccw(c5849.14,2819.14) 5849.14,2795 ; v1@5832.07,2802.07 ccw(c5849.14,2819.14) 5849.14,2795 ; v1@5832.07,2802.07 ccw(c5849.14,2819.14) 5849.14,2795 ; 6081.72,2795 ccw(c6081.72,2853.28) v1@6122.93,2812.07 ; 6081.72,2795 ccw(c6081.72,2853.28) v1@6122.93,2812.07 ; 6081.72,2795 ccw(c6081.72,2853.28) v1@6122.93,2812.07 ; 6081.72,2795 ccw(c6081.72,2853.28) v1@6122.93,2812.07 ; 6081.72,2795 ccw(c6081.72,2853.28) v1@6122.93,2812.07 ; 6110.69,2795 ccw(c6110.69,2824.31) v1@6131.41,2803.59 ; 6110.69,2795 ccw(c6110.69,2824.31) v1@6131.41,2803.59 ; 6110.69,2795 ccw(c6110.69,2824.31) v1@6131.41,2803.59 ; 6110.69,2795 ccw(c6110.69,2824.31) v1@6131.41,2803.59 ; 6110.69,2795 ccw(c6110.69,2824.31) v1@6131.41,2803.59
  other v1: 6130,2805